# Altium PCB withICversion.PcbDoc (part 3 of 3)
Units mil, origin at the board's own origin, x right, y up, seen from the top; angles counter-clockwise.
Board outline 5511.81 x 8070.87 mil, 2 copper layers (Top Layer, Bottom Layer); 162 components, 85 nets, 489 pads, 156 vias.
Unrouted connection lines stored in the file: 133.
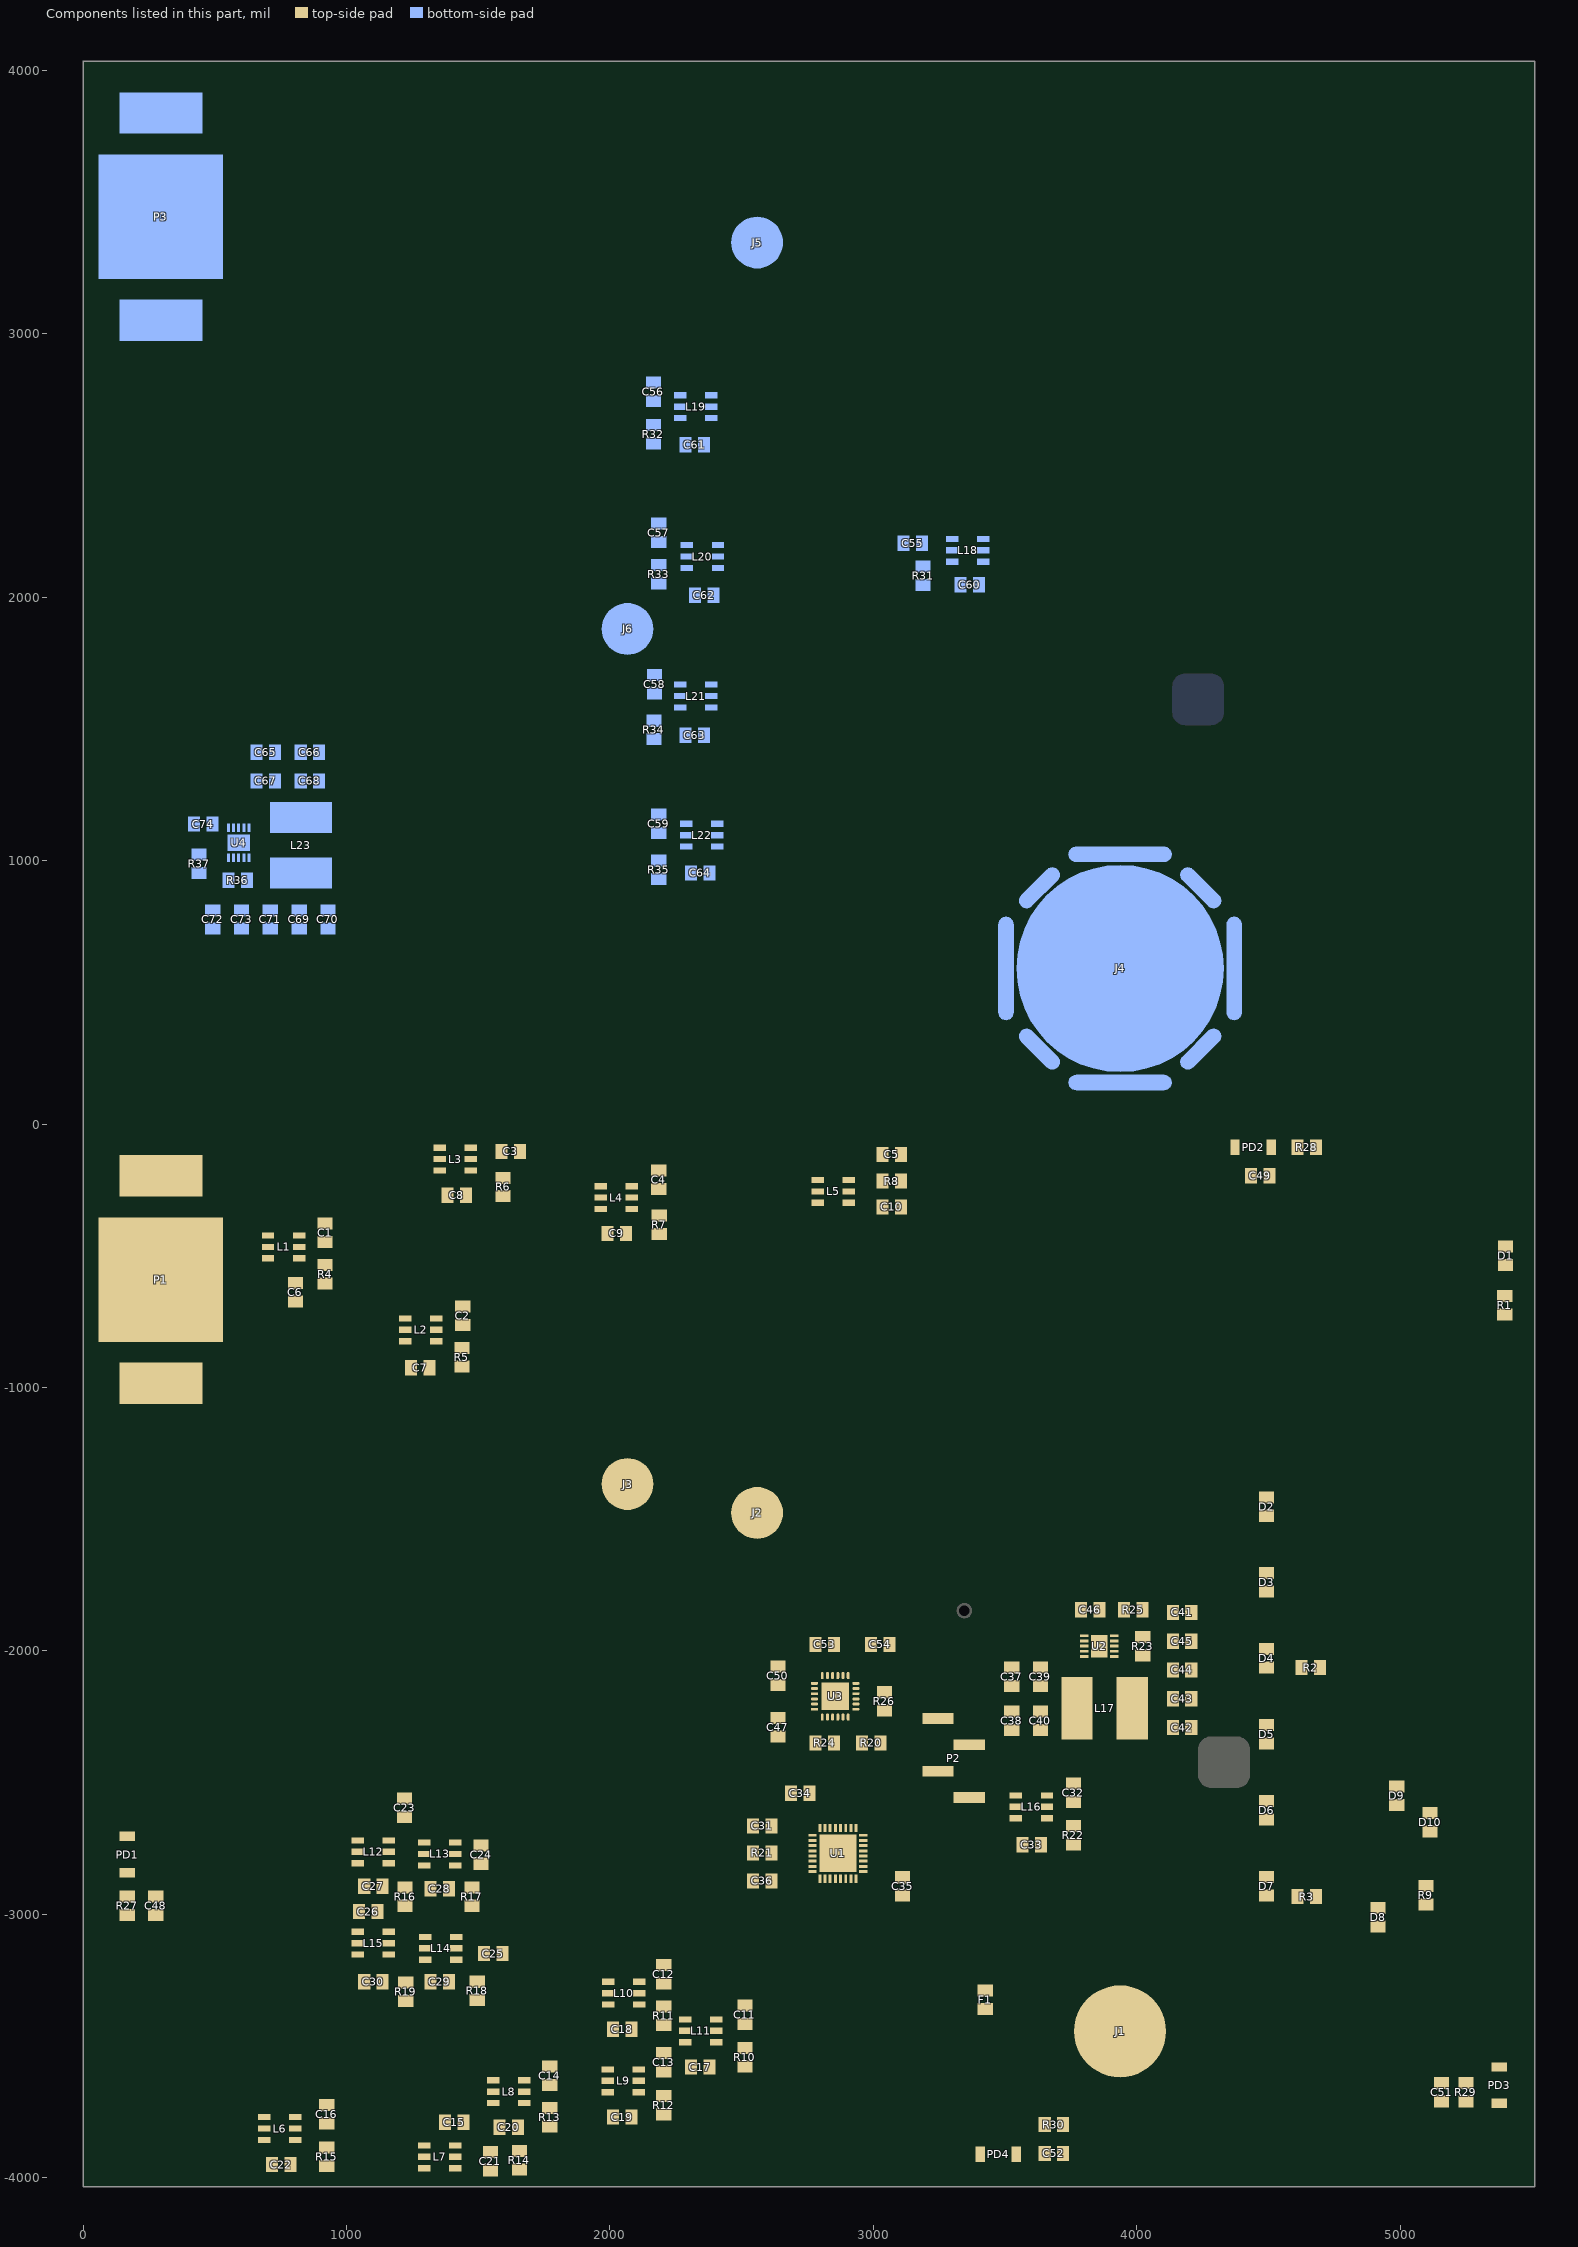
[diagram p3: the components of this part, seen from the top]

## Other copper
Top Layer:
  region net 5V1: 3999.25,-1991.14 ccw(c3999.25,-2001.22) 3992.13,-1994.09 ccw(c4020.64,-2022.61) 3980.31,-2022.61 3980.31,-2027.56 ccw(c4013.58,-2027.56) 3990.06,-2051.08 3996.06,-2057.09 ccw(c4010.6,-2042.55) 4010.6,-2063.11 4040.13,-2063.11 cw(c4040.13,-2101.94) 4067.59,-2074.48 4079.72,-2086.61 cw(c4072.6,-2093.74) 4082.68,-2093.74 4082.68,-2312.05 ccw(c4126.36,-2312.05) 4095.47,-2342.94 ccw(c4108.72,-2329.7) 4108.72,-2348.43 4147.55,-2348.43 ccw(c4147.55,-2324.63) 4164.37,-2341.46 ccw(c4159.62,-2336.7) 4166.34,-2336.7 4166.34,-1799.21 ccw(c4163.96,-1799.21) 4165.64,-1797.53 4150.59,-1782.48 ccw(c4145.84,-1787.23) 4145.84,-1780.51 4105.31,-1780.51 ccw(c4105.31,-1794.77) 4095.23,-1784.69 4090.55,-1789.37 ccw(c4092.93,-1791.75) 4089.57,-1791.75 4089.57,-1957.68 4061.14,-1986.1 ccw(c4066.18,-1991.14) 4059.06,-1991.14
  region net NetC37_2: 3769.68,-2096.46 3710.88,-2096.46 ccw(c3710.88,-2121.86) 3692.91,-2103.9 cw(c3677.61,-2088.6) 3677.61,-2110.24 3499.83,-2110.24 cw(c3499.83,-2103.52) 3495.08,-2108.27 3482.4,-2120.94 ccw(c3487.44,-2125.98) 3480.31,-2125.98 3480.31,-2225.32 ccw(c3497.12,-2225.32) 3485.24,-2237.2 3494.19,-2246.16 ccw(c3517.72,-2222.64) 3517.72,-2255.91 3661.04,-2255.91 cw(c3661.04,-2299.59) 3691.93,-2268.7 cw(c3668.17,-2292.46) 3701.77,-2292.46 3701.77,-2320.93 ccw(c3732.3,-2320.93) 3710.71,-2342.52 ccw(c3722.59,-2330.64) 3722.59,-2347.44 3828.26,-2347.44 ccw(c3828.26,-2327.28) 3842.52,-2341.54 3842.52,-2105.86 ccw(c3805.56,-2105.86) 3831.69,-2079.72 cw(c3869.71,-2041.71) 3815.94,-2041.71 3815.94,-2023.62 3791.17,-2023.62 cw(c3791.17,-2016.9) 3786.42,-2021.65 3783.94,-2021.65 ccw(c3783.94,-2041.81) 3769.68,-2027.56 3690.88,-2106.37
  pour cut-out: 5441.93,3690.94 5414.78,3687.99 5394.34,3674.21 5378.94,3664.37 5371.06,3651.57 5371.06,3637.8 5370.08,3624.02 5355.31,3614.17 5337.6,3606.3 5321.85,3596.46 5308.07,3585.63 5302.17,3569.88 5302.17,3549.21 5309.06,3532.48 5323.82,3517.72 5340.55,3509.84 5344.49,3497.05 5346.46,3478.35 5344.49,3455.71 5343.5,3438.98 5351.38,3413.39 5357.28,3400.59 5378.94,3389.76 5393.7,3389.76 5402.56,3392.72 5412.4,3391.73 5416.34,3383.86 5423.23,3372.05 5431.1,3362.2 5441.93,3352.36 5451.77,3345.47 5450.79,3378.94 5438.73,3384.84 5428.15,3396.65 5426.71,3404.53 5417.32,3414.37 5399.11,3413.39 5375.98,3421.26 5357.28,3442.91 5354.33,3460.14 5354.33,3485.24 5357.28,3505.91 5359.25,3512.3 5357.28,3516.73 5349.41,3523.62 5344.49,3537.4 5343.5,3565.94 5353.35,3581.69 5366.14,3596.46 5385.83,3606.3 5392.72,3612.2 5396.65,3622.05 5401.08,3635.83 5413.39,3652.56 5421.3,3660.43 5433.07,3671.26 5440.94,3675.2 5445.87,3680.12
  pour cut-out: 5418.31,3577.76 5409.45,3568.9 5397.64,3568.9 5392.72,3563.98 5390.91,3549.21 5396.65,3538.39 5404.53,3530.51 5412.4,3526.57 5412.4,3520.67 5403.54,3503.94 5398.62,3488.19 5399.61,3471.46 5403.54,3461.61 5414.37,3455.71 5424.21,3454.72 5431.56,3457.68 5439.96,3462.6 5445.87,3464.57 5449.8,3473.43 5448.82,3483.27 5435.04,3484.25 5425.2,3489.17 5422.24,3500 5422.24,3514.76 5430.12,3521.65 5424.29,3524.61 5418.31,3527.56 5410.43,3531.5 5407.48,3536.42 5405.51,3544.29 5406.5,3553.15 5409.45,3559.06 5416.34,3562.99 5418.31,3568.9 5422.24,3572.83 5428.15,3572.83 5428.15,3576.77
  pour cut-out: 2235.24,707.68 2251.97,717.52 2293.31,730.32 2313.98,737.2 2373.03,741.14 2399.61,739.17 2443.9,725.39 2469.49,710.63 2488.19,690.94 2490.16,668.31 2484.25,642.72 2466.54,620.08 2437.99,595.47 2397.64,565.94 2340.55,545.28 2305.12,538.39 2294.29,538.39 2286.42,573.82 2280.51,624.02 2259.84,668.31
  pour cut-out: 1965.55,731.3 1979.33,749.02 2010.83,780.51 2044.29,806.1 2081.69,826.77 2109.25,833.66 2129.92,833.66 2145.67,830.71 2162.4,819.88 2169.29,804.13 2173.23,781.5 2172.24,750.98 2167.32,726.38 2154.53,695.87 2137.8,670.28 2120.08,665.35 2090.55,663.39 2062.99,666.34 2011.81,691.93 1982.28,714.57
  pour cut-out: 1415.35,495.08 1448.82,525.59 1489.17,545.28 1516.73,559.06 1545.28,563.98 1570.87,558.07 1592.52,546.26 1602.36,534.45 1605.31,520.67 1607.28,501.97 1598.43,485.24 1576.77,456.69 1547.24,431.1 1514.76,410.43 1501.97,423.23 1476.38,452.76 1449.8,471.46
  pour cut-out: 2094.49,453.74 2114.17,449.8 2137.8,439.96 2152.56,426.18 2163.39,404.53 2171.26,383.86 2172.24,355.32 2163.39,336.61 2143.7,326.77 2091.54,332.68 2066.93,341.54 2079.72,374.02 2087.6,398.62 2090.55,424.21 2090.55,449.8
  pour cut-out: 1754.92,387.8 1788.39,385.83 1816.93,375.98 1843.5,359.25 1855.31,339.57 1855.31,319.88 1844.49,299.21 1825.79,286.42 1808.07,289.37 1771.65,311.02 1746.06,321.85 1740.16,348.43 1746.06,375.98
  pour cut-out: 1721.46,300.2 1770.67,282.48 1802.17,262.8 1817.91,247.05 1831.69,224.41 1832.68,197.83 1825.79,178.15 1809.06,172.24 1778.54,168.31 1749.02,171.26 1718.5,184.06 1696.85,197.83 1677.17,212.6 1673.23,217.52 1681.1,225.39 1694.88,240.16 1705.71,264.76 1714.57,288.39 1718.5,298.23
  pour cut-out: 666.34,370.08 680.12,389.76 713.58,422.24 739.17,443.9 767.72,458.66 797.24,467.52 819.88,471.46 846.46,470.96 862.2,467.52 869.09,455.71 875,435.04 875,412.4 862.2,379.92 839.57,353.35 818.9,327.76 796.26,301.18 785.43,291.34 773.62,302.17 747.05,329.72
  pour cut-out: 873.03,177.17 880.91,139.76 882.87,124.02 883.86,112.2 906.5,112.2 930.12,118.11 967.52,125.98 1000.98,137.8 1031.5,155.51 1050.2,173.23 1063.98,193.9 1063.98,199.8 1055.12,202.76 1022.64,207.68 995.08,209.65 968.5,204.72
  pour cut-out: 838.58,256.89 874.02,273.62 914.37,289.37 953.74,297.24 998.03,297.24 1026.57,287.4 1047.24,273.62 1051.18,266.73 1027.56,262.8 949.8,246.06 882.87,232.78 853.35,226.38
  pour cut-out: 585.63,3633.86 583.66,3669.29 598.43,3711.61 628.94,3753.94 662.4,3775.59 683.07,3778.54 706.69,3776.57 721.46,3767.72 735.24,3750 739.17,3734.25 738.19,3710.63 725.39,3682.09 702.76,3651.57 678.15,3625.98 642.72,3605.32 623.03,3604.33 618.11,3608.27 618.11,3619.09 613.19,3625.98 603.35,3625 591.54,3624.02 590.55,3624.02
  pour cut-out: 920.28,3624.02 939.96,3640.75 976.38,3658.46 1031.5,3671.26 1063.98,3667.32 1105.31,3659.45 1125.98,3647.64 1132.87,3635.83 1134.84,3621.06 1128.94,3607.28 1117.13,3590.55 1110.24,3579.72 1088.58,3571.85 1063.98,3563.98 1035.43,3559.06 989.17,3560.04 943.9,3571.85 920.28,3582.68 914.37,3584.65 924.21,3593.5 934.06,3600.39 935.04,3610.24 934.06,3619.09 930.12,3620.08
  pour cut-out: 784.45,3270.67 824.8,3262.8 868.11,3247.05 910.43,3223.43 937.99,3196.85 954.72,3171.26 954.72,3149.61 946.85,3117.13 933.07,3097.44 916.34,3091.54 896.65,3089.57 871.06,3095.47 839.57,3120.08 808.07,3153.54 783.46,3183.07 764.76,3220.47 755.91,3242.13 762.8,3245.08 775.59,3249.02 780.51,3254.92 785.43,3261.81
  pour cut-out: 897.64,3143.7
  pour cut-out: 1416.34,3882.87 1426.18,3871.06 1432.09,3846.46 1430.12,3805.12 1421.26,3761.81 1408.46,3716.54 1395.67,3677.17 1369.09,3619.09 1340.55,3571.85 1317.91,3547.24 1286.42,3529.53 1260.83,3526.57 1233.27,3534.45 1204.72,3555.12 1190.94,3577.26 1187.99,3622.05 1187.99,3662.4 1193.9,3701.77 1212.6,3747.05 1255.91,3800.2 1292.32,3844.49 1324.8,3868.11 1355.31,3886.81 1372.05,3894.68 1377.95,3892.72 1378.94,3882.87 1384.84,3874.02 1392.72,3866.14 1399.61,3866.14
  pour cut-out: 1273.62,3119.09 1325.79,3081.69 1377.95,3026.57 1413.39,2984.25 1297.24,3092.52
  pour cut-out: 1225.39,3105.32 1253.94,3054.13 1291.34,3008.86 1339.57,2963.58 1287.4,3000.98 1243.11,3046.26 1236.22,3067.91
  pour cut-out: 1263.78,3081.69 1375,2967.52 1402.07,2939.96 1380.91,2946.85 1342.52,2983.27
  pour cut-out: 1301.18,3069.88 1424.21,2946.85 1424.21,2939.96 1422.24,2938.98 1344.49,3018.7 1305.12,3057.09
  pour cut-out: 1209.65,3201.77 1257.87,3210.63 1303.15,3210.63 1358.27,3204.72 1425.2,3188.98 1463.58,3172.24 1497.05,3150.59 1515.75,3125.98 1527.56,3104.33 1529.53,3085.63 1523.62,3068.9 1509.84,3055.12 1486.22,3048.23 1445.87,3050.2 1417.32,3056.1 1399.61,3070.87 1386.81,3092.52 1374.02,3115.16 1350.39,3135.83 1316.93,3155.51 1278.54,3171.26 1252.95,3179.13 1234.25,3187.01
  pour cut-out: 1274.61,3141.73 1324.8,3113.19 1353.35,3090.55 1378.94,3062.01 1401.57,3029.53 1380.91,3053.15 1351.38,3083.66 1312.99,3113.19
  pour cut-out: 889.27,3545.28 924.21,3534.45 951.77,3522.64 980.31,3501.97 990.16,3490.16
  pour cut-out: 864.17,3532.48 885.83,3525.59 920.28,3509.84 951.77,3491.14
  pour cut-out: 856.3,3501.97 938.98,3456.69 897.64,3468.5 871.06,3487.2 860.24,3497.05
  pour cut-out: 894.68,3502.95 963.58,3468.5 960.63,3465.55 918.31,3485.24
  pour cut-out: 1229.33,63.98 1244.09,56.1 1246.06,50.2 1429.13,43.31 1437.01,44.29 1433.07,51.18 1436.02,62.01 1442.91,75.79 1444.88,87.6 1440.94,106.3 1434.06,119.09 1422.24,134.84 1412.4,146.65 1384.84,172.24 1340.55,193.9 1301.18,204.72 1280.51,207.68 1276.57,184.06 1273.62,160.43 1264.76,127.95 1255.91,108.27
  pour cut-out: 1306.1,3305.12 1319.88,3315.94 1339.57,3323.82 1370.08,3324.8 1409.45,3320.87 1435.04,3313.98 1456.69,3303.15 1474.41,3289.37 1485.24,3273.62 1489.17,3259.84 1484.25,3247.05 1470.47,3237.2 1458.66,3234.25 1439.96,3238.19 1415.35,3241.14 1396.16,3245.08 1370.08,3255.91 1354.82,3263.78 1342.52,3272.64
  pour cut-out: 1296.26,3389.76 1334.65,3413.39 1393.21,3437.01 1474.41,3451.77 1484.25,3451.77
  pour cut-out: 1301.18,3453.74 1327.76,3475.39 1366.14,3490.16 1396.16,3493.11
  pour cut-out: 1339.07,3449.8 1375,3470.47 1420.28,3480.32 1455.71,3480.32 1426.18,3474.41 1390.75,3465.55 1372.05,3461.61
  pour cut-out: 1280.51,3400.59 1333.66,3434.06 1364.17,3444.88 1415.35,3460.63 1453.74,3466.54 1465.55,3464.57 1431.1,3460.14 1371.06,3441.93 1359.25,3437.99 1316.93,3420.28
  pour cut-out: 1320.87,3380.91 1363.19,3393.7 1405.76,3411.42 1460.63,3428.15 1490.16,3434.06 1459.65,3417.32 1415.35,3398.62 1375.98,3389.76 1345.47,3383.86
  pour cut-out: 1324.8,3362.2 1369.09,3370.08 1425.2,3385.83 1465.55,3401.57 1498.03,3418.31 1481.3,3399.61 1444.39,3381.89 1408.46,3371.06 1372.05,3362.2 1342.52,3358.27
  pour cut-out: 1378.94,3349.41 1425.69,3361.22 1449.8,3370.08 1439.96,3361.22 1403.54,3348.43
  pour cut-out: 1985.24,3694.88 2010.83,3682.09 2047.24,3657.48 2086.61,3613.19 2112.2,3558.07 2125.98,3518.7 2130.91,3478.35 2123.03,3447.83 2110.24,3425.2 2091.54,3414.37 2078.74,3418.31 2053.15,3435.04 2033.46,3464.57 2007.87,3510.83 1992.13,3552.17 1986.22,3601.38 1984.25,3638.78
  pour cut-out: 1514.76,3903.54 1532.48,3862.2 1555.12,3810.04 1571.85,3750.98 1566.93,3786.42 1547.24,3847.44 1535.43,3873.03
  pour cut-out: 1482.28,3888.29 1488.19,3847.44 1519.68,3741.14 1541.34,3679.13 1536.42,3716.54 1500.98,3844.49 1488.19,3876.97
  pour cut-out: 1507.87,3865.16 1532.48,3821.85 1549.21,3779.53 1563.98,3717.52 1563.48,3670.28 1557.09,3665.35 1555.12,3710.14 1546.26,3755.91
  pour cut-out: 1473.43,3844.49 1474.9,3821.85 1489.67,3770.67 1509.84,3721.46
  pour cut-out: 1888.78,3941.93 1928.15,3910.43 1993.11,3889.76 2033.46,3891.73 2080.71,3907.48 2112.2,3941.93 2116.14,3971.46 2112.2,3982.28 1922.24,3985.24 1907.48,3981.3
  pour cut-out: 2431.1,3989.17 2450.79,3926.18 2471.46,3860.73 2492.13,3820.87 2514.76,3806.1 2502.95,3836.12 2454.72,3947.83 2445.87,3976.38 2446.85,3990.16
  pour cut-out: 2462.6,3980.32 2467.52,3957.68 2488.19,3909.45 2511.81,3863.19 2530.51,3819.88 2537.4,3789.37 2543.31,3787.4 2538.39,3806.1 2517.72,3867.13 2481.3,3941.93
  pour cut-out: 2478.84,3988.19 2498.03,3940.94 2533.46,3867.13 2549.21,3828.74 2560.04,3795.28 2571.85,3767.72 2580.71,3754.92 2583.66,3756.89 2583.66,3767.72 2571.85,3802.17 2531.5,3890.75 2490.16,3989.17
  pour cut-out: 2514.76,3976.38 2553.15,3910.43 2576.77,3865.16 2592.52,3820.87 2603.35,3775.59 2603.35,3770.67 2586.61,3819.88 2576.77,3847.93
  pour cut-out: 2554.13,3941.93 2586.61,3890.75 2600.39,3860.73 2608.27,3837.6
  pour cut-out: 2626.97,3832.68 2627.95,3772.64 2625,3756.89 2611.22,3741.14 2593.5,3733.27 2571.85,3734.25 2557.09,3738.19 2551.18,3746.06 2547.24,3740.16 2547.24,3721.46 2550.2,3698.82 2560.04,3682.09 2573.82,3670.28 2590.55,3663.39 2600.39,3657.48 2619.09,3647.64 2638.78,3644.68 2658.46,3646.65 2688.98,3653.54 2704.72,3661.42 2728.35,3675.2 2739.17,3687.01 2751.97,3707.68 2752.95,3714.57 2709.65,3715.55 2694.88,3724.41 2683.07,3739.17 2679.13,3747.05 2680.12,3751.97 2689.96,3757.87 2705.71,3764.76 2717.52,3765.75 2767.72,3762.8 2757.87,3776.57 2744.09,3789.37 2723.43,3801.18 2706.69,3813.98 2687.01,3826.77 2661.42,3833.66
  pour cut-out: 2617.13,3889.76 2625,3852.36 2627.95,3851.38 2637.8,3854.33 2653.54,3854.33 2676.18,3852.36 2697.83,3848.43 2712.6,3841.54 2726.38,3831.69 2742.62,3815.94 2749.02,3808.07 2748.03,3827.76 2750.98,3839.57 2754.92,3849.16 2754.92,3859.25 2750,3873.03 2738.19,3901.57 2727.36,3918.31 2709.65,3921.26 2677.17,3920.28 2664.37,3916.34 2654.53,3913.39 2636.81,3903.54 2631.89,3900.59
  pour cut-out: 2584.65,3638.78 2614.17,3627.95 2642.72,3625 2688.98,3628.94 2714.57,3636.81 2736.22,3656.5 2747.05,3668.31 2747.05,3650.59 2751.97,3644.68 2759.84,3644.68 2764.76,3645.67 2768.7,3649.61 2783.46,3668.31 2783.46,3633.86 2776.57,3615.16 2766.73,3590.55 2751.97,3569.88 2741.14,3559.06 2723.43,3551.18 2702.76,3547.24 2687.99,3548.23 2668.31,3556.1 2625,3576.77 2602.36,3589.57 2581.69,3603.35 2574.8,3611.22 2573.82,3625.98 2577.76,3635.83
  pour cut-out: 2820.87,3710.14 2834.65,3695.87 2844.49,3681.1 2854.33,3669.29 2862.2,3651.57 2863.19,3628.94 2862.2,3613.19 2857.28,3604.33 2845.47,3593.5 2835.63,3583.17 2828.74,3572.83 2818.9,3562.01 2806.1,3552.17 2799.21,3549.21 2790.35,3549.21 2786.42,3551.18 2776.08,3562.99 2782.48,3573.82 2794.29,3599.41 2804.13,3622.05 2806.1,3628.94 2812.01,3632.87 2816.93,3637.3 2819.88,3660.43
  pour cut-out: 2769.68,3885.83 2779.28,3851.38 2795.28,3812.99 2803.15,3799.21 2807.09,3813.98 2811.02,3826.77 2818.9,3826.77 2829.72,3824.8 2835.63,3814.96 2840.55,3803.15 2846.46,3809.06 2853.35,3821.11 2856.3,3839.57 2850.39,3854.21 2845.47,3869.09 2830.71,3883.86 2814.47,3893.45 2803.15,3896.65
  pour cut-out: 2842.52,3991.14 2952.76,3991.14 2964.57,3951.77 2972.44,3900.59 2979.33,3861.65 2983.27,3835.63 2976.38,3825.79 2935.04,3833.91 2888.78,3858.27 2868.11,3884.84 2849.41,3918.31 2844.49,3948.82 2841.54,3963.58
  pour cut-out: 2986.22,3960.63 2991.14,3933.07 2997.05,3896.65 2997.05,3883.86 3008.86,3878.94 3027.56,3877.95 3048.23,3881.12 3063.98,3891.98 3086.61,3909.94 3101.38,3921.26 3101.38,3927.17 3080.71,3926.18 3059.06,3921.26 3047.24,3923.23 3039.37,3930.12 3039.37,3938.98 3038.39,3942.91
  pour cut-out: 3153.54,3960.63 3157.48,3939.96 3159.45,3924.21 3156.5,3905.51 3145.67,3882.87 3127.95,3871.06 3106.3,3858.27 3092.52,3854.21 3077.76,3850.39 3053.15,3858.27 3072.83,3875 3100.39,3895.67 3110.24,3891.98 3123.03,3891.24 3126.97,3895.67 3131.89,3904.04
  pour cut-out: 4915.35,1091.54 4931.1,1069.88 4946.85,1043.31 4956.69,1016.73 4956.69,999.02 4950.79,1000 4945.87,1014.76 4939.96,1035.43 4935.04,1043.31 4926.18,1041.34 4917.32,1033.46 4916.34,1023.62 4917.32,1009.84 4916.34,990.16 4908.46,997.05 4896.65,1013.78 4895.67,1039.37 4899.61,1058.07 4906.5,1077.76
  pour cut-out: 4946.85,1561.02 4983.27,1538.39 5013.78,1519.68 5031.5,1505.91 5041.34,1489.17 5044.29,1467.52 5040.35,1463.58 5033.46,1476.38 5019.68,1487.2 5007.87,1490.16 5002.95,1483.27 5001.97,1472.44 5005.91,1461.61 5007.87,1450.79 5012.8,1448.82 5013.78,1439.96 5012.8,1436.02 4982.28,1437.01 4973.43,1442.91 4965.55,1464.57 4957.68,1492.13 4953.74,1508.86
  pour cut-out: 5096.46,1457.68 5125.98,1481.3 5135.83,1495.08 5142.72,1501.97 5148.62,1485.24 5153.54,1450.79 5155.51,1422.24 5158.46,1420.28 5159.45,1398.62 5153.54,1382.87 5147.64,1382.87 5153.54,1397.64 5153.54,1409.45 5151.57,1419.29 5136.81,1419.29 5126.97,1408.46 5114.17,1383.86
  pour cut-out: 2151.57,3741.14 2197.83,3731.79 2258.86,3709.65 2312.01,3686.02 2346.46,3674.21 2385.83,3658.96 2421.26,3653.54 2465.55,3649.61 2458.66,3640.75 2437.99,3634.84 2408.46,3642.72 2325.79,3661.42 2248.03,3694.88 2223.43,3701.77 2181.1,3721.46
  pour cut-out: 2158.46,3762.8 2184.06,3769.68 2213.58,3758.86 2373.03,3701.77 2459.65,3669.78 2437.99,3669.78 2339.57,3695.87 2207.68,3746.06 2176.18,3756.89
  pour cut-out: 2309.06,3598.92 2323.82,3601.38 2422.24,3546.26 2473.43,3505.91 2480.31,3492.13 2401.57,3546.26
  pour cut-out: 2256.89,3608.76 2430.12,3510.83 2466.54,3481.3 2341.54,3555.12
  pour cut-out: 2189.96,3699.8 2242.13,3677.17 2298.23,3653.54 2370.08,3629.92 2398.62,3625.98 2368.11,3625.98 2300.2,3645.67 2243.11,3669.78
  pour cut-out: 2408.46,3600.15 2432.09,3591.54 2459.65,3562.99 2480.31,3537.4
  pour cut-out: 2328.74,3525.59 2430.12,3465.55 2405.51,3473.43
  pour cut-out: 2299.21,3562.01 2372.05,3520.67 2456.69,3471.46 2454.72,3468.5 2363.19,3520.67
  pour cut-out: 2203.74,3780.51 2282.48,3750 2389.76,3710.14 2417.81,3703 2318.9,3740.16 2273.62,3761.81 2245.08,3776.57 2217.52,3786.42
  pour cut-out: 2266.73,3784.45 2311.02,3760.83 2340.55,3747.05 2374.02,3736.22 2401.57,3727.36
  pour cut-out: 2976.38,3991.14 3056.1,3991.14 3061.02,3983.27 3066.93,3978.35 3073.82,3974.41 3065.45,3967.52 3053.15,3962.11 3037.4,3962.6 3011.81,3972.44 2991.14,3981.3
  pour cut-out: 4571.85,2647.64 4414.37,2647.64 4414.37,1072.84 4571.85,1072.84
  text "Designed by HQ / Feb. 25th, 2019" at 767.72,-1336.61 h60
Bottom Layer:
  region net NetL23_1: 616.14,1025.88 928.88,1025.88 cw(c928.88,998.01) 948.59,1017.72 cw(c936.14,1005.27) 953.74,1005.27 953.74,905.93 cw(c926.7,905.93) 945.82,886.81 cw(c924.44,908.2) 924.44,877.95 758.56,877.95 cw(c758.56,948.52) 708.66,898.62 706.77,900.51 cw(c760.99,954.72) 684.32,954.72 ccw(c669.74,954.72) 680.05,965.03 660.83,984.25 ccw(c641.82,965.24) 641.82,992.13 609.08,992.13 cw(c609.08,998.85) 604.33,994.09 604.33,1024.75
  region net NetC65_2: 786.42,1452.76 729.47,1452.76 ccw(c729.47,1419.15) 705.71,1442.91 ccw(c712.84,1435.78) 702.76,1435.78 702.76,1265.97 cw(c639.8,1265.97) 684.32,1221.46 637.34,1174.48 ccw(c667.14,1144.68) 625,1144.68 625,1114 ccw(c631.72,1114) 626.97,1109.25 ccw(c631.72,1114) 631.72,1107.28 653.54,1107.28 cw(c653.54,1071.64) 678.75,1096.84 697.83,1077.76 ccw(c761.99,1141.91) 761.99,1051.18 882.07,1051.18 ccw(c882.07,1151.18) 952.79,1080.47 956.96,1084.65 ccw(c934.77,1106.84) 966.15,1106.84 966.15,1220.47 ccw(c960.48,1220.47) 964.49,1224.49 953.74,1235.24 ccw(c925.23,1206.72) 925.23,1247.05 885.83,1247.05 cw(c885.83,1258.93) 877.43,1250.53 853.35,1274.61 ccw(c848.59,1279.36) 855.31,1279.36 855.31,1438.91 ccw(c838.51,1438.91) 850.39,1450.79
  region net 5V22: 568.9,1026.57 ccw(c568.9,1024.2) 567.22,1025.88 564.96,1023.62 564.96,1002.95 ccw(c598.23,1002.95) 574.7,979.43 576.77,977.36 cw(c543.5,944.1) 590.55,944.1 590.55,872.36 cw(c563.67,872.36) 582.68,853.35 cw(c570.8,865.23) 570.8,848.43 480.45,848.43 ccw(c480.45,814.82) 456.69,838.58 456.69,788.39 464.57,780.51 ccw(c476.45,792.39) 476.45,775.59 956.96,775.59 ccw(c956.96,805.83) 978.35,784.45 ccw(c975.97,786.82) 979.33,786.82 979.33,825.79 ccw(c953.19,825.79) 971.67,844.27 960.63,855.32 ccw(c944,838.68) 944,862.2 713.48,862.2 cw(c713.48,885.73) 696.85,869.09 696.36,869.58 cw(c745.09,918.31) 676.18,918.31 ccw(c626.28,918.31) 661.57,953.59 647.64,967.52 ccw(c633.38,953.26) 633.38,973.43 620.08,973.43 cw(c620.08,990.06) 608.32,978.3 598.43,988.19 cw(c605.55,995.32) 595.47,995.32 595.47,1026.57
  pour cut-out: 5420.28,3578.74 5411.42,3569.88 5399.61,3569.88 5394.68,3564.96 5392.88,3550.2 5398.62,3539.37 5406.5,3531.5 5414.37,3527.56 5414.37,3521.65 5405.51,3504.92 5400.59,3489.17 5401.57,3472.44 5405.51,3462.6 5416.34,3456.69 5426.18,3455.71 5433.53,3458.66 5441.93,3463.58 5447.83,3465.55 5451.77,3474.41 5450.79,3484.25 5437.01,3485.24 5427.17,3490.16 5424.21,3500.98 5424.21,3515.75 5432.09,3522.64 5426.26,3525.59 5420.28,3528.54 5412.4,3532.48 5409.45,3537.4 5407.48,3545.28 5408.46,3554.13 5411.42,3560.04 5418.31,3563.98 5420.28,3569.88 5424.21,3573.82 5430.12,3573.82 5430.12,3577.76
  pour cut-out: 5443.9,3691.93 5416.75,3688.98 5396.3,3675.2 5380.91,3665.35 5373.03,3652.56 5373.03,3638.78 5372.05,3625 5357.28,3615.16 5339.57,3607.28 5323.82,3597.44 5310.04,3586.61 5304.13,3570.87 5304.13,3550.2 5311.02,3533.46 5325.79,3518.7 5342.52,3510.83 5346.46,3498.03 5348.43,3479.33 5346.46,3456.69 5345.47,3439.96 5353.35,3414.37 5359.25,3401.57 5380.91,3390.75 5395.67,3390.75 5404.53,3393.7 5414.37,3392.72 5418.31,3384.84 5425.2,3373.03 5433.07,3363.19 5443.9,3353.35 5453.74,3346.46 5452.76,3379.92 5440.7,3385.83 5430.12,3397.64 5428.68,3405.51 5419.29,3415.35 5401.08,3414.37 5377.95,3422.24 5359.25,3443.9 5356.3,3461.12 5356.3,3486.22 5359.25,3506.89 5361.22,3513.29 5359.25,3517.72 5351.38,3524.61 5346.46,3538.39 5345.47,3566.93 5355.31,3582.68 5368.11,3597.44 5387.8,3607.28 5394.68,3613.19 5398.62,3623.03 5403.05,3636.81 5415.35,3653.54 5423.27,3661.42 5435.04,3672.24 5442.91,3676.18 5447.83,3681.1
  pour cut-out: 2976.38,3991.14 3056.1,3991.14 3061.02,3983.27 3066.93,3978.35 3073.82,3974.41 3065.45,3967.52 3053.15,3962.11 3037.4,3962.6 3011.81,3972.44 2991.14,3981.3
  pour cut-out: 2266.73,3784.45 2311.02,3760.83 2340.55,3747.05 2374.02,3736.22 2401.57,3727.36
  pour cut-out: 2203.74,3780.51 2282.48,3750 2389.76,3710.14 2417.81,3703 2318.9,3740.16 2273.62,3761.81 2245.08,3776.57 2217.52,3786.42
  pour cut-out: 2299.21,3562.01 2372.05,3520.67 2456.69,3471.46 2454.72,3468.5 2363.19,3520.67
  pour cut-out: 2328.74,3525.59 2430.12,3465.55 2405.51,3473.43
  pour cut-out: 2408.46,3600.15 2432.09,3591.54 2459.65,3562.99 2480.31,3537.4
  pour cut-out: 2189.96,3699.8 2242.13,3677.17 2298.23,3653.54 2370.08,3629.92 2398.62,3625.98 2368.11,3625.98 2300.2,3645.67 2243.11,3669.78
  pour cut-out: 2256.89,3608.76 2430.12,3510.83 2466.54,3481.3 2341.54,3555.12
  pour cut-out: 2309.06,3598.92 2323.82,3601.38 2422.24,3546.26 2473.43,3505.91 2480.31,3492.13 2401.57,3546.26
  pour cut-out: 2158.46,3762.8 2184.06,3769.68 2213.58,3758.86 2373.03,3701.77 2459.65,3669.78 2437.99,3669.78 2339.57,3695.87 2207.68,3746.06 2176.18,3756.89
  pour cut-out: 2151.57,3741.14 2197.83,3731.79 2258.86,3709.65 2312.01,3686.02 2346.46,3674.21 2385.83,3658.96 2421.26,3653.54 2465.55,3649.61 2458.66,3640.75 2437.99,3634.84 2408.46,3642.72 2325.79,3661.42 2248.03,3694.88 2223.43,3701.77 2181.1,3721.46
  pour cut-out: 5096.46,1457.68 5125.98,1481.3 5135.83,1495.08 5142.72,1501.97 5148.62,1485.24 5153.54,1450.79 5155.51,1422.24 5158.46,1420.28 5159.45,1398.62 5153.54,1382.87 5147.64,1382.87 5153.54,1397.64 5153.54,1409.45 5151.57,1419.29 5136.81,1419.29 5126.97,1408.46 5114.17,1383.86
  pour cut-out: 4946.85,1561.02 4983.27,1538.39 5013.78,1519.68 5031.5,1505.91 5041.34,1489.17 5044.29,1467.52 5040.35,1463.58 5033.46,1476.38 5019.68,1487.2 5007.87,1490.16 5002.95,1483.27 5001.97,1472.44 5005.91,1461.61 5007.87,1450.79 5012.8,1448.82 5013.78,1439.96 5012.8,1436.02 4982.28,1437.01 4973.43,1442.91 4965.55,1464.57 4957.68,1492.13 4953.74,1508.86
  pour cut-out: 4915.35,1091.54 4931.1,1069.88 4946.85,1043.31 4956.69,1016.73 4956.69,999.02 4950.79,1000 4945.87,1014.76 4939.96,1035.43 4935.04,1043.31 4926.18,1041.34 4917.32,1033.46 4916.34,1023.62 4917.32,1009.84 4916.34,990.16 4908.46,997.05 4896.65,1013.78 4895.67,1039.37 4899.61,1058.07 4906.5,1077.76
  pour cut-out: 3153.54,3960.63 3157.48,3939.96 3159.45,3924.21 3156.5,3905.51 3145.67,3882.87 3127.95,3871.06 3106.3,3858.27 3092.52,3854.21 3077.76,3850.39 3053.15,3858.27 3072.83,3875 3100.39,3895.67 3110.24,3891.98 3123.03,3891.24 3126.97,3895.67 3131.89,3904.04
  pour cut-out: 2986.22,3960.63 2991.14,3933.07 2997.05,3896.65 2997.05,3883.86 3008.86,3878.94 3027.56,3877.95 3048.23,3881.12 3063.98,3891.98 3086.61,3909.94 3101.38,3921.26 3101.38,3927.17 3080.71,3926.18 3059.06,3921.26 3047.24,3923.23 3039.37,3930.12 3039.37,3938.98 3038.39,3942.91
  pour cut-out: 2842.52,3991.14 2952.76,3991.14 2964.57,3951.77 2972.44,3900.59 2979.33,3861.65 2983.27,3835.63 2976.38,3825.79 2935.04,3833.91 2888.78,3858.27 2868.11,3884.84 2849.41,3918.31 2844.49,3948.82 2841.54,3963.58
  pour cut-out: 2769.68,3885.83 2779.28,3851.38 2795.28,3812.99 2803.15,3799.21 2807.09,3813.98 2811.02,3826.77 2818.9,3826.77 2829.72,3824.8 2835.63,3814.96 2840.55,3803.15 2846.46,3809.06 2853.35,3821.11 2856.3,3839.57 2850.39,3854.21 2845.47,3869.09 2830.71,3883.86 2814.47,3893.45 2803.15,3896.65
  pour cut-out: 2820.87,3710.14 2834.65,3695.87 2844.49,3681.1 2854.33,3669.29 2862.2,3651.57 2863.19,3628.94 2862.2,3613.19 2857.28,3604.33 2845.47,3593.5 2835.63,3583.17 2828.74,3572.83 2818.9,3562.01 2806.1,3552.17 2799.21,3549.21 2790.35,3549.21 2786.42,3551.18 2776.08,3562.99 2782.48,3573.82 2794.29,3599.41 2804.13,3622.05 2806.1,3628.94 2812.01,3632.87 2816.93,3637.3 2819.88,3660.43
  pour cut-out: 2584.65,3638.78 2614.17,3627.95 2642.72,3625 2688.98,3628.94 2714.57,3636.81 2736.22,3656.5 2747.05,3668.31 2747.05,3650.59 2751.97,3644.68 2759.84,3644.68 2764.76,3645.67 2768.7,3649.61 2783.46,3668.31 2783.46,3633.86 2776.57,3615.16 2766.73,3590.55 2751.97,3569.88 2741.14,3559.06 2723.43,3551.18 2702.76,3547.24 2687.99,3548.23 2668.31,3556.1 2625,3576.77 2602.36,3589.57 2581.69,3603.35 2574.8,3611.22 2573.82,3625.98 2577.76,3635.83
  pour cut-out: 2617.13,3889.76 2625,3852.36 2627.95,3851.38 2637.8,3854.33 2653.54,3854.33 2676.18,3852.36 2697.83,3848.43 2712.6,3841.54 2726.38,3831.69 2742.62,3815.94 2749.02,3808.07 2748.03,3827.76 2750.98,3839.57 2754.92,3849.16 2754.92,3859.25 2750,3873.03 2738.19,3901.57 2727.36,3918.31 2709.65,3921.26 2677.17,3920.28 2664.37,3916.34 2654.53,3913.39 2636.81,3903.54 2631.89,3900.59
  pour cut-out: 2626.97,3832.68 2627.95,3772.64 2625,3756.89 2611.22,3741.14 2593.5,3733.27 2571.85,3734.25 2557.09,3738.19 2551.18,3746.06 2547.24,3740.16 2547.24,3721.46 2550.2,3698.82 2560.04,3682.09 2573.82,3670.28 2590.55,3663.39 2600.39,3657.48 2619.09,3647.64 2638.78,3644.68 2658.46,3646.65 2688.98,3653.54 2704.72,3661.42 2728.35,3675.2 2739.17,3687.01 2751.97,3707.68 2752.95,3714.57 2709.65,3715.55 2694.88,3724.41 2683.07,3739.17 2679.13,3747.05 2680.12,3751.97 2689.96,3757.87 2705.71,3764.76 2717.52,3765.75 2767.72,3762.8 2757.87,3776.57 2744.09,3789.37 2723.43,3801.18 2706.69,3813.98 2687.01,3826.77 2661.42,3833.66
  pour cut-out: 2554.13,3941.93 2586.61,3890.75 2600.39,3860.73 2608.27,3837.6
  pour cut-out: 2514.76,3976.38 2553.15,3910.43 2576.77,3865.16 2592.52,3820.87 2603.35,3775.59 2603.35,3770.67 2586.61,3819.88 2576.77,3847.93
  pour cut-out: 2478.84,3988.19 2498.03,3940.94 2533.46,3867.13 2549.21,3828.74 2560.04,3795.28 2571.85,3767.72 2580.71,3754.92 2583.66,3756.89 2583.66,3767.72 2571.85,3802.17 2531.5,3890.75 2490.16,3989.17
  pour cut-out: 2462.6,3980.32 2467.52,3957.68 2488.19,3909.45 2511.81,3863.19 2530.51,3819.88 2537.4,3789.37 2543.31,3787.4 2538.39,3806.1 2517.72,3867.13 2481.3,3941.93
  pour cut-out: 2431.1,3989.17 2450.79,3926.18 2471.46,3860.73 2492.13,3820.87 2514.76,3806.1 2502.95,3836.12 2454.72,3947.83 2445.87,3976.38 2446.85,3990.16
  pour cut-out: 1888.78,3941.93 1928.15,3910.43 1993.11,3889.76 2033.46,3891.73 2080.71,3907.48 2112.2,3941.93 2116.14,3971.46 2112.2,3982.28 1922.24,3985.24 1907.48,3981.3
  pour cut-out: 1473.43,3844.49 1474.9,3821.85 1489.67,3770.67 1509.84,3721.46
  pour cut-out: 1507.87,3865.16 1532.48,3821.85 1549.21,3779.53 1563.98,3717.52 1563.48,3670.28 1557.09,3665.35 1555.12,3710.14 1546.26,3755.91
  pour cut-out: 1482.28,3888.29 1488.19,3847.44 1519.68,3741.14 1541.34,3679.13 1536.42,3716.54 1500.98,3844.49 1488.19,3876.97
  pour cut-out: 1514.76,3903.54 1532.48,3862.2 1555.12,3810.04 1571.85,3750.98 1566.93,3786.42 1547.24,3847.44 1535.43,3873.03
  pour cut-out: 1985.24,3694.88 2010.83,3682.09 2047.24,3657.48 2086.61,3613.19 2112.2,3558.07 2125.98,3518.7 2130.91,3478.35 2123.03,3447.83 2110.24,3425.2 2091.54,3414.37 2078.74,3418.31 2053.15,3435.04 2033.46,3464.57 2007.87,3510.83 1992.13,3552.17 1986.22,3601.38 1984.25,3638.78
  pour cut-out: 1378.94,3349.41 1425.69,3361.22 1449.8,3370.08 1439.96,3361.22 1403.54,3348.43
  pour cut-out: 1324.8,3362.2 1369.09,3370.08 1425.2,3385.83 1465.55,3401.57 1498.03,3418.31 1481.3,3399.61 1444.39,3381.89 1408.46,3371.06 1372.05,3362.2 1342.52,3358.27
  pour cut-out: 1320.87,3380.91 1363.19,3393.7 1405.76,3411.42 1460.63,3428.15 1490.16,3434.06 1459.65,3417.32 1415.35,3398.62 1375.98,3389.76 1345.47,3383.86
  pour cut-out: 1280.51,3400.59 1333.66,3434.06 1364.17,3444.88 1415.35,3460.63 1453.74,3466.54 1465.55,3464.57 1431.1,3460.14 1371.06,3441.93 1359.25,3437.99 1316.93,3420.28
  pour cut-out: 1339.07,3449.8 1375,3470.47 1420.28,3480.32 1455.71,3480.32 1426.18,3474.41 1390.75,3465.55 1372.05,3461.61
  pour cut-out: 1301.18,3453.74 1327.76,3475.39 1366.14,3490.16 1396.16,3493.11
  pour cut-out: 1296.26,3389.76 1334.65,3413.39 1393.21,3437.01 1474.41,3451.77 1484.25,3451.77
  pour cut-out: 1306.1,3305.12 1319.88,3315.94 1339.57,3323.82 1370.08,3324.8 1409.45,3320.87 1435.04,3313.98 1456.69,3303.15 1474.41,3289.37 1485.24,3273.62 1489.17,3259.84 1484.25,3247.05 1470.47,3237.2 1458.66,3234.25 1439.96,3238.19 1415.35,3241.14 1396.16,3245.08 1370.08,3255.91 1354.82,3263.78 1342.52,3272.64
  pour cut-out: 1229.33,63.98 1244.09,56.1 1246.06,50.2 1429.13,43.31 1437.01,44.29 1433.07,51.18 1436.02,62.01 1442.91,75.79 1444.88,87.6 1440.94,106.3 1434.06,119.09 1422.24,134.84 1412.4,146.65 1384.84,172.24 1340.55,193.9 1301.18,204.72 1280.51,207.68 1276.57,184.06 1273.62,160.43 1264.76,127.95 1255.91,108.27
  pour cut-out: 894.68,3502.95 963.58,3468.5 960.63,3465.55 918.31,3485.24
  pour cut-out: 856.3,3501.97 938.98,3456.69 897.64,3468.5 871.06,3487.2 860.24,3497.05
  pour cut-out: 864.17,3532.48 885.83,3525.59 920.28,3509.84 951.77,3491.14
  pour cut-out: 889.27,3545.28 924.21,3534.45 951.77,3522.64 980.31,3501.97 990.16,3490.16
  pour cut-out: 1274.61,3141.73 1324.8,3113.19 1353.35,3090.55 1378.94,3062.01 1401.57,3029.53 1380.91,3053.15 1351.38,3083.66 1312.99,3113.19
  pour cut-out: 1209.65,3201.77 1257.87,3210.63 1303.15,3210.63 1358.27,3204.72 1425.2,3188.98 1463.58,3172.24 1497.05,3150.59 1515.75,3125.98 1527.56,3104.33 1529.53,3085.63 1523.62,3068.9 1509.84,3055.12 1486.22,3048.23 1445.87,3050.2 1417.32,3056.1 1399.61,3070.87 1386.81,3092.52 1374.02,3115.16 1350.39,3135.83 1316.93,3155.51 1278.54,3171.26 1252.95,3179.13 1234.25,3187.01
  pour cut-out: 1301.18,3069.88 1424.21,2946.85 1424.21,2939.96 1422.24,2938.98 1344.49,3018.7 1305.12,3057.09
  pour cut-out: 1263.78,3081.69 1375,2967.52 1402.07,2939.96 1380.91,2946.85 1342.52,2983.27
  pour cut-out: 1225.39,3105.32 1253.94,3054.13 1291.34,3008.86 1339.57,2963.58 1287.4,3000.98 1243.11,3046.26 1236.22,3067.91
  pour cut-out: 1273.62,3119.09 1325.79,3081.69 1377.95,3026.57 1413.39,2984.25 1297.24,3092.52
  pour cut-out: 1416.34,3882.87 1426.18,3871.06 1432.09,3846.46 1430.12,3805.12 1421.26,3761.81 1408.46,3716.54 1395.67,3677.17 1369.09,3619.09 1340.55,3571.85 1317.91,3547.24 1286.42,3529.53 1260.83,3526.57 1233.27,3534.45 1204.72,3555.12 1190.94,3577.26 1187.99,3622.05 1187.99,3662.4 1193.9,3701.77 1212.6,3747.05 1255.91,3800.2 1292.32,3844.49 1324.8,3868.11 1355.31,3886.81 1372.05,3894.68 1377.95,3892.72 1378.94,3882.87 1384.84,3874.02 1392.72,3866.14 1399.61,3866.14
  pour cut-out: 897.64,3143.7
  pour cut-out: 784.45,3270.67 824.8,3262.8 868.11,3247.05 910.43,3223.43 937.99,3196.85 954.72,3171.26 954.72,3149.61 946.85,3117.13 933.07,3097.44 916.34,3091.54 896.65,3089.57 871.06,3095.47 839.57,3120.08 808.07,3153.54 783.46,3183.07 764.76,3220.47 755.91,3242.13 762.8,3245.08 775.59,3249.02 780.51,3254.92 785.43,3261.81
  pour cut-out: 920.28,3624.02 939.96,3640.75 976.38,3658.46 1031.5,3671.26 1063.98,3667.32 1105.31,3659.45 1125.98,3647.64 1132.87,3635.83 1134.84,3621.06 1128.94,3607.28 1117.13,3590.55 1110.24,3579.72 1088.58,3571.85 1063.98,3563.98 1035.43,3559.06 989.17,3560.04 943.9,3571.85 920.28,3582.68 914.37,3584.65 924.21,3593.5 934.06,3600.39 935.04,3610.24 934.06,3619.09 930.12,3620.08
  pour cut-out: 585.63,3633.86 583.66,3669.29 598.43,3711.61 628.94,3753.94 662.4,3775.59 683.07,3778.54 706.69,3776.57 721.46,3767.72 735.24,3750 739.17,3734.25 738.19,3710.63 725.39,3682.09 702.76,3651.57 678.15,3625.98 642.72,3605.32 623.03,3604.33 618.11,3608.27 618.11,3619.09 613.19,3625.98 603.35,3625 591.54,3624.02 590.55,3624.02
  pour cut-out: 838.58,256.89 874.02,273.62 914.37,289.37 953.74,297.24 998.03,297.24 1026.57,287.4 1047.24,273.62 1051.18,266.73 1027.56,262.8 949.8,246.06 882.87,232.78 853.35,226.38
  pour cut-out: 873.03,177.17 880.91,139.76 882.87,124.02 883.86,112.2 906.5,112.2 930.12,118.11 967.52,125.98 1000.98,137.8 1031.5,155.51 1050.2,173.23 1063.98,193.9 1063.98,199.8 1055.12,202.76 1022.64,207.68 995.08,209.65 968.5,204.72
  pour cut-out: 666.34,370.08 680.12,389.76 713.58,422.24 739.17,443.9 767.72,458.66 797.24,467.52 819.88,471.46 846.46,470.96 862.2,467.52 869.09,455.71 875,435.04 875,412.4 862.2,379.92 839.57,353.35 818.9,327.76 796.26,301.18 785.43,291.34 773.62,302.17 747.05,329.72
  pour cut-out: 1721.46,300.2 1770.67,282.48 1802.17,262.8 1817.91,247.05 1831.69,224.41 1832.68,197.83 1825.79,178.15 1809.06,172.24 1778.54,168.31 1749.02,171.26 1718.5,184.06 1696.85,197.83 1677.17,212.6 1673.23,217.52 1681.1,225.39 1694.88,240.16 1705.71,264.76 1714.57,288.39 1718.5,298.23
  pour cut-out: 1754.92,387.8 1788.39,385.83 1816.93,375.98 1843.5,359.25 1855.31,339.57 1855.31,319.88 1844.49,299.21 1825.79,286.42 1808.07,289.37 1771.65,311.02 1746.06,321.85 1740.16,348.43 1746.06,375.98
  pour cut-out: 2094.49,453.74 2114.17,449.8 2137.8,439.96 2152.56,426.18 2163.39,404.53 2171.26,383.86 2172.24,355.32 2163.39,336.61 2143.7,326.77 2091.54,332.68 2066.93,341.54 2079.72,374.02 2087.6,398.62 2090.55,424.21 2090.55,449.8
  pour cut-out: 1415.35,495.08 1448.82,525.59 1489.17,545.28 1516.73,559.06 1545.28,563.98 1570.87,558.07 1592.52,546.26 1602.36,534.45 1605.31,520.67 1607.28,501.97 1598.43,485.24 1576.77,456.69 1547.24,431.1 1514.76,410.43 1501.97,423.23 1476.38,452.76 1449.8,471.46
  pour cut-out: 1965.55,731.3 1979.33,749.02 2010.83,780.51 2044.29,806.1 2081.69,826.77 2109.25,833.66 2129.92,833.66 2145.67,830.71 2162.4,819.88 2169.29,804.13 2173.23,781.5 2172.24,750.98 2167.32,726.38 2154.53,695.87 2137.8,670.28 2120.08,665.35 2090.55,663.39 2062.99,666.34 2011.81,691.93 1982.28,714.57
  pour cut-out: 2235.24,707.68 2251.97,717.52 2293.31,730.32 2313.98,737.2 2373.03,741.14 2399.61,739.17 2443.9,725.39 2469.49,710.63 2488.19,690.94 2490.16,668.31 2484.25,642.72 2466.54,620.08 2437.99,595.47 2397.64,565.94 2340.55,545.28 2305.12,538.39 2294.29,538.39 2286.42,573.82 2280.51,624.02 2259.84,668.31
  pour cut-out: 4571.85,2647.64 4414.37,2647.64 4414.37,1072.84 4571.85,1072.84
  text "Designed by HQ / Feb. 25th, 2019" at 1312.01,2179.35 h60

## Silkscreen, mask and mechanical layers (free items; w line width, h text height)
Top Overlay:
  drawing of 12022 lines, arcs and shapes, not listed
  text "Wedding Invitation" at 2625,3173.23 h288
  text "席 / 设" at 2157.48,2697.09 h183.33
  text "喜 / 日" at 2748.03,2697.09 h183.33
  text "新 / 娘" at 3633.86,2697.09 h183.33
  text "新 / 郎" at 4027.56,2697.09 h183.33
  text "恭 / 请" at 4421.26,2697.09 h183.33
  text "枕 / 湖 / 厅" at 1673.23,2165.35 h183.33
  text "之 / 新 / 婚 / 典 / 礼" at 3240.16,2093.51 h183.33
  text "十 / 一 / 点 / 五 / 十 / 八 / 分" at 1476.38,1870.08 h183.33
  text "己 / 亥 / 年 / 四 / 月 / 廿 / 九" at 2649.61,1601.21 h183.33
  text "恭 / 候" at 1574.8,1476.38 h183.33
  text "二 / 零 / 一 / 九 / 年 / 六 / 月 / 二 / 日" at 2846.46,1471.61 h183.33
  text "无 / 锡 / 市 / 太 / 湖 / 花 / 园 / 大 / 酒 / 店" at 2255.91,1145.04 h183.33
  text "无 / 锡 / 市 / 滨 / 湖 / 区 / 山 / 水 / 东 / 路 / 8 / 号" at 2059.06,921.65 h183
  text "莅 / 临" at 4430.21,717.03 h183.33
  text "Be my lover and I'll cover you" at 3173.23,377.95 h198.89
  text "Just pay me back with thousand sweet kisses" at 2783.46,182.09 h198.89
  text "RoHS" at 523.95,-1712.97 h60
  text "COMPLIANT" at 507.95,-1880.97 h30
Bottom Overlay:
  drawing of 25966 lines, arcs and shapes, not listed
  text "RoHS" at 1595.6,1976.55 h60
  text "COMPLIANT" at 1611.6,1808.55 h30
  text "8.08 a.m." at 1946.81,-1392.56 h300
  text "10.00 a.m." at 1946.81,-1934.23 h300
  text "11.26 a.m." at 1946.81,-2475.89 h300
  text "11.58 a.m." at 1946.81,-3017.56 h300
Top Solder:
  drawing of 62921 lines, arcs and shapes, not listed
  text "林 / 怡" at 3564.96,1759.39 h400
  text "惠 / 琦" at 3958.66,1759.39 h400
Bottom Solder:
  drawing of 56685 lines, arcs and shapes, not listed
  text "Lynn & Henry" at 5336.26,-328.94 h388.89
  text "Thank you for coming" at 4451.42,-598.62 h266
  text "Direction" at 2302.79,-959.84 h388.89
  text "Map" at 4934.68,-2159.65 h388.89 r324.89
  text "任 / 我 / 醉 / 倒 / 在 / 池 / 边" at 507.52,-2863.82 h188
  text "晚 / 风 / 吻 / 尽 / 荷 / 花 / 叶" at 333.31,-2875.2 h188
  text "Scan me!" at 3162.05,-3352.56 h166 r326.13

## Text inside footprints (layer, text, board x,y; h text height)
P2: Top Overlay "C" at 3344.49,-2247.44 h60 r270; Top Overlay "V" at 3344.49,-2434.45 h60 r270; Top Overlay "G" at 3206.69,-2532.87 h60 r270; Top Overlay "D" at 3206.69,-2336.02 h60 r270
U1: Top Overlay "*" at 2715.83,-2715.69 h50; Mechanical 13 "*" at 2772.83,-2715.69 h50